# KiCad board ABG-K7072.kicad_pcb
title: ABG-K7072; date: 2025-04-23; rev: 1; company: Robotron; note: Revision 1, 23.04.2025, Stefan Berndt
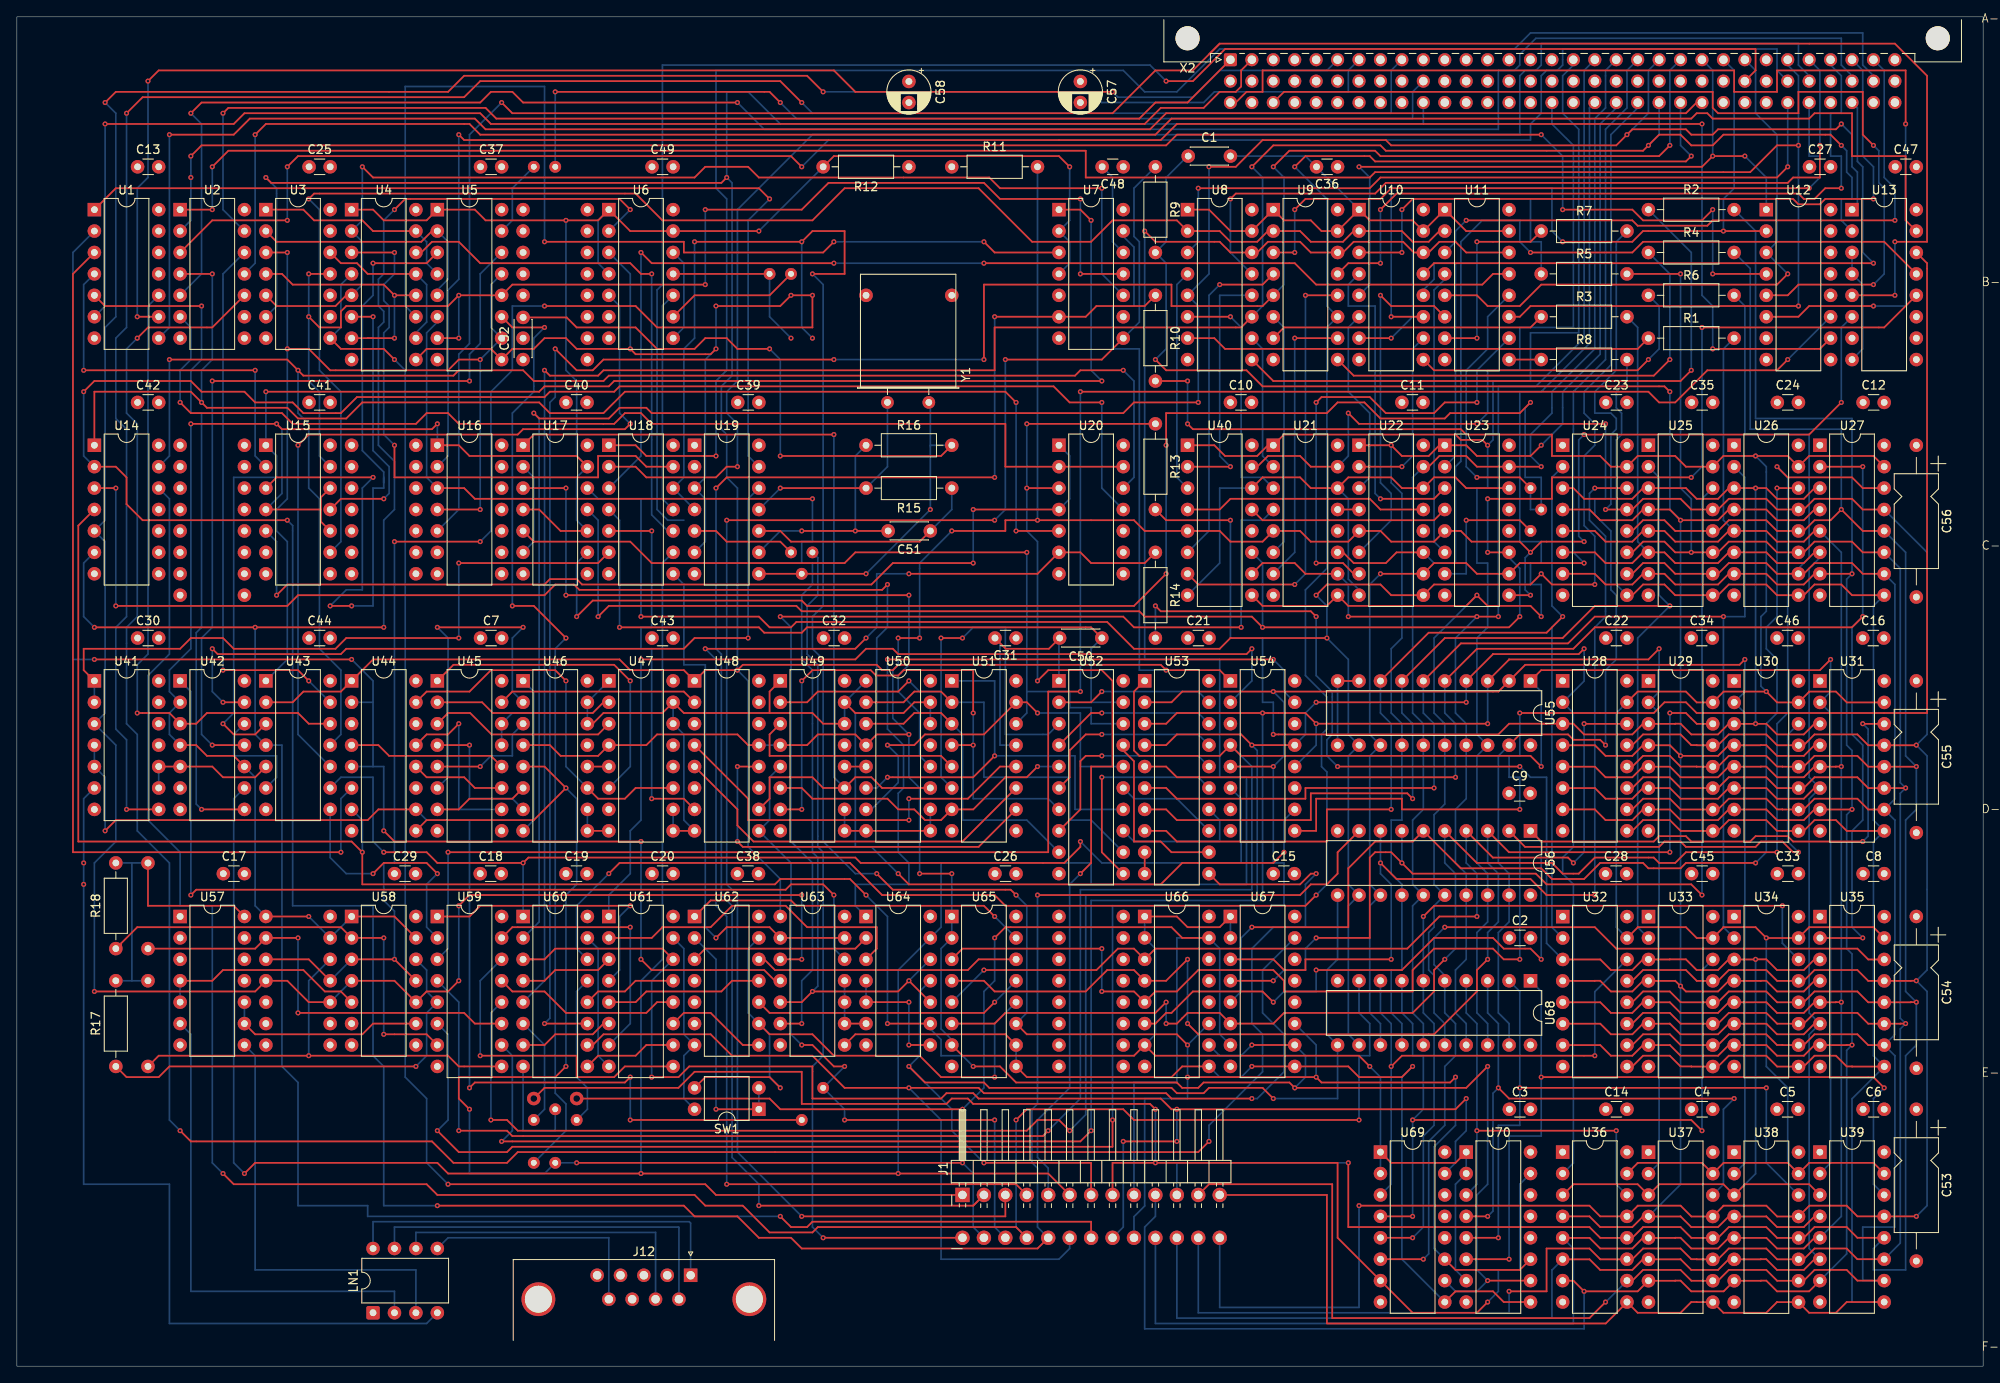
[diagram p0: board, top side]
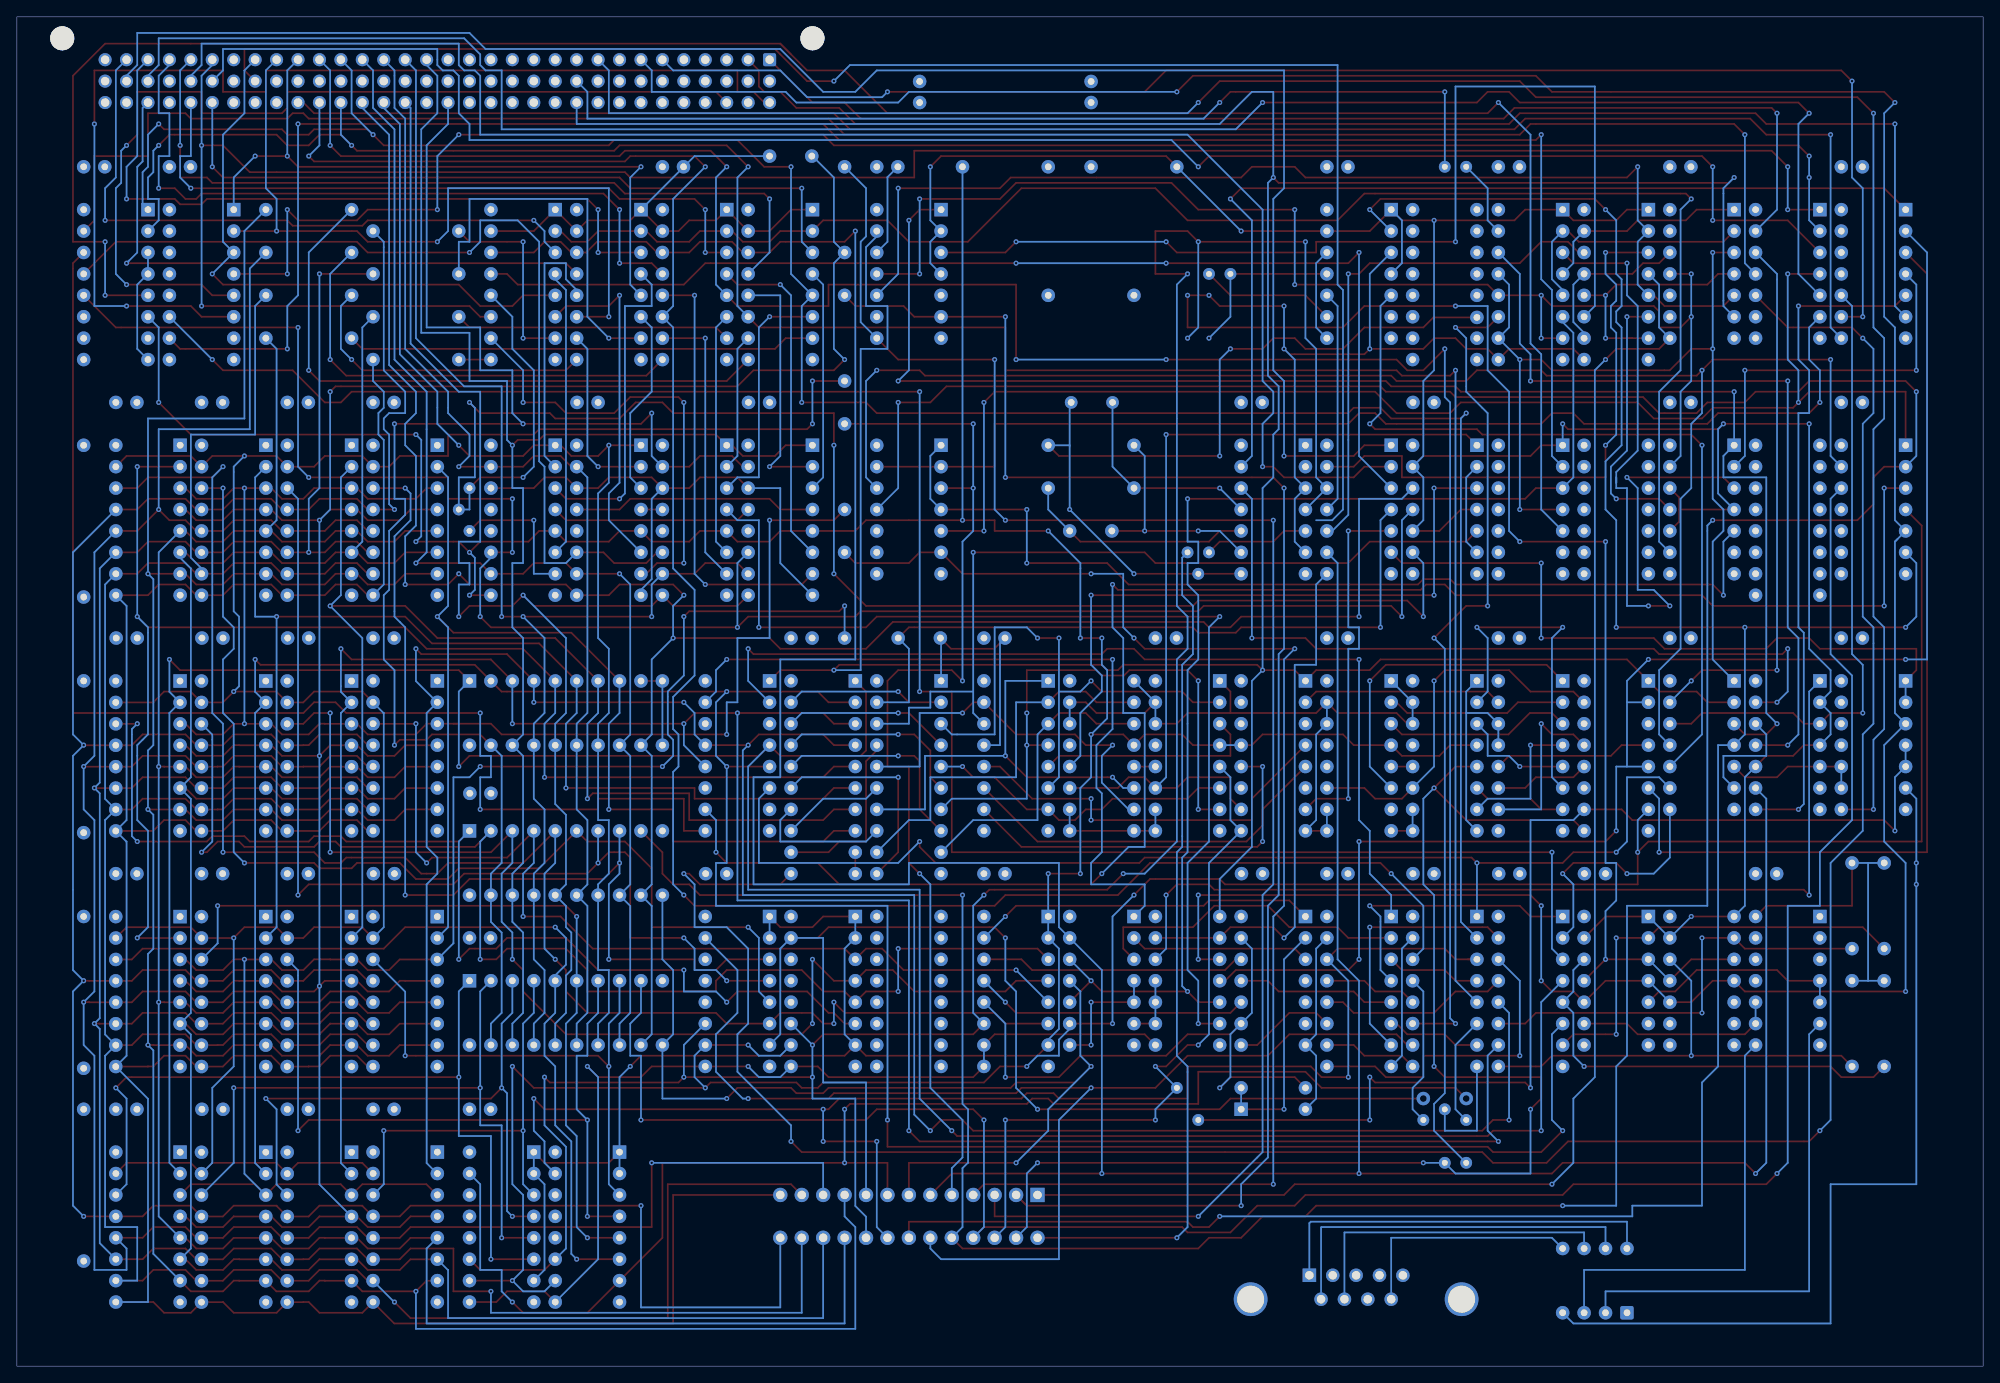
[diagram p1: board, bottom side, seen from below]

Outline 233 x 160 mm; copper layers: Top, In1.Cu, In2.Cu, Bottom. Coordinates in mm from the lower left corner of the outline.
Outline path: rectangle 0,160 233,0
Stack: Top 0.035mm / dielectric 0.1mm FR4 er 4.5 / In1.Cu 0.035mm / dielectric 1.24mm FR4 er 4.5 / In2.Cu 0.035mm / dielectric 0.1mm FR4 er 4.5 / Bottom 0.035mm

## Placement (name value [footprint] x y rotation side)
C1  150pF  [C_Disc_D4.3mm_W1.9mm_P5.00mm]  138.81 143.49 0 top
C2  100nF  [C_Disc_D3.0mm_W1.6mm_P2.50mm]  176.87 50.78 0 top
C3  100nF  [C_Disc_D3.0mm_W1.6mm_P2.50mm]  176.87 30.46 0 top
C4  100nF  [C_Disc_D3.0mm_W1.6mm_P2.50mm]  198.46 30.46 0 top
C5  100nF  [C_Disc_D3.0mm_W1.6mm_P2.50mm]  208.57 30.46 0 top
C6  100nF  [C_Disc_D3.0mm_W1.6mm_P2.50mm]  218.78 30.46 0 top
C7  100nF  [C_Disc_D3.0mm_W1.6mm_P2.50mm]  54.94 86.34 0 top
C8  100nF  [C_Disc_D3.0mm_W1.6mm_P2.50mm]  218.78 58.4 0 top
C9  100nF  [C_Disc_D3.0mm_W1.6mm_P2.50mm]  176.82 67.92 0 top
C10  100nF  [C_Disc_D3.0mm_W1.6mm_P2.50mm]  143.81 114.28 0 top
C11  100nF  [C_Disc_D3.0mm_W1.6mm_P2.50mm]  164.12 114.28 0 top
C12  100nF  [C_Disc_D3.0mm_W1.6mm_P2.50mm]  218.78 114.28 0 top
C13  100nF  [C_Disc_D3.0mm_W1.6mm_P2.50mm]  14.3 142.22 0 top
C14  100nF  [C_Disc_D3.0mm_W1.6mm_P2.50mm]  188.29 30.46 0 top
C15  100nF  [C_Disc_D3.0mm_W1.6mm_P2.50mm]  148.88 58.4 0 top
C16  100nF  [C_Disc_D3.0mm_W1.6mm_P2.50mm]  218.73 86.34 0 top
C17  100nF  [C_Disc_D3.0mm_W1.6mm_P2.50mm]  24.47 58.4 0 top
C18  100nF  [C_Disc_D3.0mm_W1.6mm_P2.50mm]  54.91 58.4 0 top
C19  100nF  [C_Disc_D3.0mm_W1.6mm_P2.50mm]  65.06 58.4 0 top
C20  100nF  [C_Disc_D3.0mm_W1.6mm_P2.50mm]  75.27 58.4 0 top
C21  100nF  [C_Disc_D3.0mm_W1.6mm_P2.50mm]  138.76 86.34 0 top
C22  100nF  [C_Disc_D3.0mm_W1.6mm_P2.50mm]  188.29 86.34 0 top
C23  100nF  [C_Disc_D3.0mm_W1.6mm_P2.50mm]  188.29 114.28 0 top
C24  100nF  [C_Disc_D3.0mm_W1.6mm_P2.50mm]  208.62 114.28 0 top
C25  100nF  [C_Disc_D3.0mm_W1.6mm_P2.50mm]  34.62 142.22 0 top
C26  100nF  [C_Disc_D3.0mm_W1.6mm_P2.50mm]  115.91 58.4 0 top
C27  100nF  [C_Disc_D3.0mm_W1.6mm_P2.50mm]  212.42 142.22 0 top
C28  100nF  [C_Disc_D3.0mm_W1.6mm_P2.50mm]  188.25 58.4 0 top
C29  100nF  [C_Disc_D3.0mm_W1.6mm_P2.50mm]  44.75 58.4 0 top
C30  100nF  [C_Disc_D3.0mm_W1.6mm_P2.50mm]  14.3 86.34 0 top
C31  100nF  [C_Disc_D3.0mm_W1.6mm_P2.50mm]  118.41 86.34 180 top
C32  100nF  [C_Disc_D3.0mm_W1.6mm_P2.50mm]  95.59 86.34 0 top
C33  100nF  [C_Disc_D3.0mm_W1.6mm_P2.50mm]  208.62 58.4 0 top
C34  100nF  [C_Disc_D3.0mm_W1.6mm_P2.50mm]  198.41 86.34 0 top
C35  100nF  [C_Disc_D3.0mm_W1.6mm_P2.50mm]  198.46 114.28 0 top
C36  100nF  [C_Disc_D3.0mm_W1.6mm_P2.50mm]  156.5 142.22 180 top
C37  100nF  [C_Disc_D3.0mm_W1.6mm_P2.50mm]  54.94 142.22 0 top
C38  100nF  [C_Disc_D3.0mm_W1.6mm_P2.50mm]  85.38 58.4 0 top
C39  100nF  [C_Disc_D3.0mm_W1.6mm_P2.50mm]  85.43 114.28 0 top
C40  100nF  [C_Disc_D3.0mm_W1.6mm_P2.50mm]  65.06 114.28 0 top
C41  100nF  [C_Disc_D3.0mm_W1.6mm_P2.50mm]  34.62 114.28 0 top
C42  100nF  [C_Disc_D3.0mm_W1.6mm_P2.50mm]  14.3 114.28 0 top
C43  100nF  [C_Disc_D3.0mm_W1.6mm_P2.50mm]  75.27 86.34 0 top
C44  100nF  [C_Disc_D3.0mm_W1.6mm_P2.50mm]  34.62 86.34 0 top
C45  100nF  [C_Disc_D3.0mm_W1.6mm_P2.50mm]  198.46 58.4 0 top
C46  100nF  [C_Disc_D3.0mm_W1.6mm_P2.50mm]  208.57 86.34 0 top
C47  100nF  [C_Disc_D3.0mm_W1.6mm_P2.50mm]  222.59 142.22 0 top
C48  100nF  [C_Disc_D3.0mm_W1.6mm_P2.50mm]  131.1 142.22 180 top
C49  100nF  [C_Disc_D3.0mm_W1.6mm_P2.50mm]  75.27 142.22 0 top
C50  1nF  [C_Disc_D4.3mm_W1.9mm_P5.00mm]  128.56 86.34 180 top
C51  10nF  [C_Disc_D4.3mm_W1.9mm_P5.00mm]  108.25 99.04 180 top
C52  ??nF  [C_Disc_D4.3mm_W1.9mm_P5.00mm]  59.98 119.36 90 top
C53  2,2µF 25V  [CP_Axial_L11.0mm_D5.0mm_P18.00mm_Horizontal]  225.09 30.46 270 top
C54  2,2µF 25V  [CP_Axial_L11.0mm_D5.0mm_P18.00mm_Horizontal]  225.09 53.32 270 top
C55  2,2µF 25V  [CP_Axial_L11.0mm_D5.0mm_P18.00mm_Horizontal]  225.09 81.26 270 top
C56  2,2µF 25V  [CP_Axial_L11.0mm_D5.0mm_P18.00mm_Horizontal]  225.09 109.2 270 top
C57  47µF 10V  [CP_Radial_D5.0mm_P2.50mm]  126.03 152.34 270 top
C58  47µF 10V  [CP_Radial_D5.0mm_P2.50mm]  105.71 152.34 270 top
J1  Conn_02x13_Row_Letter_First  [PinHeader_2x13_P2.54mm_Horizontal]  112.06 17.76 90 top
J2  Conn_01x01_Pin  [Pin_D1.0mm_L10.0mm]  66.33 29.19 90 top
J3  Conn_01x01_Pin  [Pin_D1.0mm_L10.0mm]  61.25 24.11 90 top
J4  Conn_01x01_Pin  [Pin_D1.0mm_L10.0mm]  63.8 30.46 90 top
J5  Conn_01x01_Pin  [Pin_D1.0mm_L10.0mm]  95.54 33 0 top
J6  Conn_01x01_Pin  [Pin_D1.0mm_L10.0mm]  93 29.19 0 top
J7  Conn_01x01_Pin  [Pin_D1.0mm_L10.0mm]  93 93.96 0 top
J8  Conn_01x01_Pin  [Pin_D1.0mm_L10.0mm]  91.73 96.5 0 top
J9  Conn_01x01_Pin  [Pin_D1.0mm_L10.0mm]  94.28 96.5 0 top
J10  Conn_01x01_Pin  [Pin_D1.0mm_L10.0mm]  63.8 24.11 90 top
J11  Conn_01x01_Pin  [Pin_D1.0mm_L10.0mm]  61.25 29.19 90 top
J12  DE9_Socket  [DSUB-9_Socket_Horizontal_P2.77x2.84mm_EdgePinOffset4.94mm_Housed_MountingHolesOffset4.94mm]  79.84 10.78 0 top
J13  Conn_01x01_Pin  [Pin_D1.0mm_L10.0mm]  61.25 142.22 0 top
J14  Conn_01x01_Pin  [Pin_D1.0mm_L10.0mm]  63.8 142.22 0 top
LN1  L_Pack04  [DIP-8_W7.62mm]  42.2 6.33 90 top
NOREF  -  [unnamed]  131.1 38.08 0 top
NOREF#2  -  [unnamed]  67.61 119.36 0 top
NOREF#3  -  [unnamed]  67.61 121.9 0 top
NOREF#4  -  [unnamed]  59.98 126.98 0 top
NOREF#5  -  [unnamed]  37.12 48.24 0 top
NOREF#6  -  [unnamed]  67.61 124.44 0 top
NOREF#7  -  [unnamed]  39.66 109.2 0 top
NOREF#8  -  [unnamed]  47.28 106.66 0 top
NOREF#9  -  [unnamed]  29.5 53.32 0 top
NOREF#10  -  [unnamed]  26.97 101.58 0 top
NOREF#11  -  [unnamed]  131.1 43.16 0 top
NOREF#12  -  [unnamed]  37.12 40.62 0 top
NOREF#13  -  [unnamed]  19.34 99.04 0 top
NOREF#14  -  [unnamed]  37.12 43.16 0 top
NOREF#15  -  [unnamed]  123.48 40.62 0 top
NOREF#16  -  [unnamed]  19.34 101.58 0 top
NOREF#17  -  [unnamed]  67.61 134.6 0 top
NOREF#18  -  [unnamed]  15.53 49.51 0 top
NOREF#19  -  [unnamed]  47.28 104.12 0 top
NOREF#20  -  [unnamed]  29.5 40.62 0 top
NOREF#21  -  [unnamed]  67.61 126.98 0 top
NOREF#22  -  [unnamed]  26.97 99.04 0 top
NOREF#23  -  [unnamed]  131.1 35.54 0 top
NOREF#24  -  [unnamed]  59.98 121.9 0 top
NOREF#25  -  [unnamed]  47.28 109.2 0 top
NOREF#26  -  [unnamed]  26.97 109.2 0 top
NOREF#27  -  [unnamed]  39.66 106.66 0 top
NOREF#28  -  [unnamed]  67.61 129.52 0 top
NOREF#29  -  [unnamed]  110.78 126.98 0 top
NOREF#30  -  [unnamed]  59.98 137.14 0 top
NOREF#31  -  [unnamed]  37.12 38.08 0 top
NOREF#32  -  [unnamed]  37.12 45.7 0 top
NOREF#33  -  [unnamed]  123.48 38.08 0 top
NOREF#34  -  [unnamed]  26.97 96.5 0 top
NOREF#35  -  [unnamed]  29.5 48.24 0 top
NOREF#36  -  [unnamed]  39.66 101.58 0 top
NOREF#37  -  [unnamed]  123.48 35.54 0 top
NOREF#38  -  [unnamed]  15.53 35.54 0 top
NOREF#39  -  [unnamed]  123.48 48.24 0 top
NOREF#40  -  [unnamed]  37.12 53.32 0 top
NOREF#41  -  [unnamed]  19.34 104.12 0 top
NOREF#42  -  [unnamed]  29.5 43.16 0 top
NOREF#43  -  [unnamed]  123.48 43.16 0 top
NOREF#44  -  [unnamed]  19.34 109.2 0 top
NOREF#45  -  [unnamed]  39.66 104.12 0 top
NOREF#46  -  [unnamed]  15.53 45.7 0 top
NOREF#47  -  [unnamed]  29.5 45.7 0 top
NOREF#48  -  [unnamed]  47.28 96.5 0 top
NOREF#49  -  [unnamed]  123.48 45.7 0 top
NOREF#50  -  [unnamed]  19.34 91.42 0 top
NOREF#51  -  [unnamed]  47.28 101.58 0 top
NOREF#52  -  [unnamed]  19.34 106.66 0 top
NOREF#53  -  [unnamed]  67.61 137.14 0 top
NOREF#54  -  [unnamed]  29.5 50.78 0 top
NOREF#55  -  [unnamed]  131.1 53.32 0 top
NOREF#56  -  [unnamed]  67.61 132.06 0 top
NOREF#57  -  [unnamed]  59.98 134.6 0 top
NOREF#58  -  [unnamed]  39.66 93.96 0 top
NOREF#59  -  [unnamed]  19.34 93.96 0 top
NOREF#60  -  [unnamed]  100.62 126.98 0 top
NOREF#61  -  [unnamed]  47.28 99.04 0 top
NOREF#62  -  [unnamed]  131.1 45.7 0 top
NOREF#63  -  [unnamed]  59.98 132.06 0 top
NOREF#64  -  [unnamed]  39.66 99.04 0 top
NOREF#65  -  [unnamed]  26.97 106.66 0 top
NOREF#66  -  [unnamed]  131.1 40.62 0 top
NOREF#67  -  [unnamed]  131.1 48.24 0 top
NOREF#68  -  [unnamed]  47.28 93.96 0 top
NOREF#69  -  [unnamed]  19.34 96.5 0 top
NOREF#70  -  [unnamed]  123.48 53.32 0 top
NOREF#71  -  [unnamed]  26.97 104.12 0 top
NOREF#72  -  [unnamed]  37.12 50.78 0 top
NOREF#73  -  [unnamed]  29.5 38.08 0 top
NOREF#74  -  [unnamed]  131.1 50.78 0 top
NOREF#75  -  [unnamed]  123.48 50.78 0 top
NOREF#76  -  [unnamed]  26.97 91.42 0 top
NOREF#77  -  [unnamed]  15.53 59.67 0 top
NOREF#78  -  [unnamed]  39.66 96.5 0 top
NOREF#79  -  [unnamed]  59.98 129.52 0 top
NOREF#80  -  [unnamed]  26.97 93.96 0 top
R1  19  [R_Axial_DIN0207_L6.3mm_D2.5mm_P10.16mm_Horizontal]  193.34 121.9 0 top
R2  19  [R_Axial_DIN0207_L6.3mm_D2.5mm_P10.16mm_Horizontal]  193.34 137.14 0 top
R3  19  [R_Axial_DIN0207_L6.3mm_D2.5mm_P10.16mm_Horizontal]  180.63 124.44 0 top
R4  19  [R_Axial_DIN0207_L6.3mm_D2.5mm_P10.16mm_Horizontal]  193.34 132.06 0 top
R5  19  [R_Axial_DIN0207_L6.3mm_D2.5mm_P10.16mm_Horizontal]  180.63 129.52 0 top
R6  19  [R_Axial_DIN0207_L6.3mm_D2.5mm_P10.16mm_Horizontal]  193.34 126.98 0 top
R7  19  [R_Axial_DIN0207_L6.3mm_D2.5mm_P10.16mm_Horizontal]  180.63 134.6 0 top
R8  19  [R_Axial_DIN0207_L6.3mm_D2.5mm_P10.16mm_Horizontal]  180.63 119.36 0 top
R9  19  [R_Axial_DIN0207_L6.3mm_D2.5mm_P10.16mm_Horizontal]  134.91 142.22 270 top
R10  19  [R_Axial_DIN0207_L6.3mm_D2.5mm_P10.16mm_Horizontal]  134.91 126.98 270 top
R11  1K  [R_Axial_DIN0207_L6.3mm_D2.5mm_P10.16mm_Horizontal]  110.78 142.22 0 top
R12  1K  [R_Axial_DIN0207_L6.3mm_D2.5mm_P10.16mm_Horizontal]  105.71 142.22 180 top
R13  19  [R_Axial_DIN0207_L6.3mm_D2.5mm_P10.16mm_Horizontal]  134.91 111.74 270 top
R14  19  [R_Axial_DIN0207_L6.3mm_D2.5mm_P10.16mm_Horizontal]  134.91 96.5 270 top
R15  464  [R_Axial_DIN0207_L6.3mm_D2.5mm_P10.16mm_Horizontal]  110.78 104.12 180 top
R16  681  [R_Axial_DIN0207_L6.3mm_D2.5mm_P10.16mm_Horizontal]  100.62 109.2 0 top
R17  1K  [R_Axial_DIN0207_L6.3mm_D2.5mm_P10.16mm_Horizontal]  11.73 35.54 90 top
R18  1K  [R_Axial_DIN0207_L6.3mm_D2.5mm_P10.16mm_Horizontal]  11.73 49.51 90 top
SW1  Wechselschalter  [DIP-4_W7.62mm]  87.93 30.46 180 top
TP1  TestPoint  [Pin_D1.0mm_L10.0mm]  180.63 101.58 0 top
TP2  TestPoint  [Pin_D1.0mm_L10.0mm]  179.37 99.04 0 top
TP3  TestPoint  [Pin_D1.0mm_L10.0mm]  179.37 104.12 0 top
TP4  TestPoint  [Pin_D1.0mm_L10.0mm]  91.73 129.52 0 top
TP5  TestPoint  [Pin_D1.0mm_L10.0mm]  89.19 129.52 0 top
U1  7402  [DIP-14_W7.62mm]  9.19 137.14 0 top
U2  7404  [DIP-14_W7.62mm]  19.34 137.14 0 top
U3  7430  [DIP-14_W7.62mm]  29.5 137.14 0 top
U4  ~  [DIP-16_W7.62mm]  39.66 137.14 0 top
U5  ~  [DIP-16_W7.62mm]  49.83 137.14 0 top
U6  7474  [DIP-14_W7.62mm]  70.14 137.14 0 top
U7  7474  [DIP-14_W7.62mm]  123.48 137.14 0 top
U8  ~  [DIP-16_W7.62mm]  138.72 137.14 0 top
U9  ~  [DIP-16_W7.62mm]  148.88 137.14 0 top
U10  ~  [DIP-16_W7.62mm]  159.04 137.14 0 top
U11  ~  [DIP-16_W7.62mm]  169.21 137.14 0 top
U12  ~  [DIP-16_W7.62mm]  207.31 137.14 0 top
U13  ~  [DIP-16_W7.62mm]  217.47 137.14 0 top
U14  7410  [DIP-14_W7.62mm]  9.19 109.2 0 top
U15  7474  [DIP-14_W7.62mm]  29.5 109.2 0 top
U16  7474  [DIP-14_W7.62mm]  49.83 109.2 0 top
U17  7474  [DIP-14_W7.62mm]  59.98 109.2 0 top
U18  7400  [DIP-14_W7.62mm]  70.14 109.2 0 top
U19  7404  [DIP-14_W7.62mm]  80.3 109.2 0 top
U20  7400  [DIP-14_W7.62mm]  123.48 109.2 0 top
U21  ~  [DIP-16_W7.62mm]  148.88 109.2 0 top
U22  ~  [DIP-16_W7.62mm]  159.04 109.2 0 top
U23  ~  [DIP-16_W7.62mm]  169.21 109.2 0 top
U24  ~  [DIP-16_W7.62mm]  183.18 109.2 0 top
U25  ~  [DIP-16_W7.62mm]  193.34 109.2 0 top
U26  ~  [DIP-16_W7.62mm]  203.5 109.2 0 top
U27  ~  [DIP-16_W7.62mm]  213.66 109.2 0 top
U28  ~  [DIP-16_W7.62mm]  183.18 81.26 0 top
U29  ~  [DIP-16_W7.62mm]  193.34 81.24 0 top
U30  ~  [DIP-16_W7.62mm]  203.5 81.24 0 top
U31  ~  [DIP-16_W7.62mm]  213.66 81.24 0 top
U32  ~  [DIP-16_W7.62mm]  183.19 53.31 0 top
U33  ~  [DIP-16_W7.62mm]  193.34 53.31 0 top
U34  ~  [DIP-16_W7.62mm]  203.5 53.31 0 top
U35  ~  [DIP-16_W7.62mm]  213.66 53.31 0 top
U36  ~  [DIP-16_W7.62mm]  183.18 25.38 0 top
U37  ~  [DIP-16_W7.62mm]  193.34 25.37 0 top
U38  ~  [DIP-16_W7.62mm]  203.5 25.37 0 top
U39  ~  [DIP-16_W7.62mm]  213.66 25.38 0 top
U40  ~  [DIP-16_W7.62mm]  138.72 109.2 0 top
U41  7438  [DIP-14_W7.62mm]  9.19 81.26 0 top
U42  7474  [DIP-14_W7.62mm]  19.34 81.26 0 top
U43  7408  [DIP-14_W7.62mm]  29.5 81.26 0 top
U44  ~  [DIP-16_W7.62mm]  39.66 81.26 0 top
U45  ~  [DIP-16_W7.62mm]  49.83 81.26 0 top
U46  ~  [DIP-16_W7.62mm]  59.98 81.26 0 top
U47  ~  [DIP-16_W7.62mm]  70.14 81.26 0 top
U48  ~  [DIP-16_W7.62mm]  80.3 81.26 0 top
U49  ~  [DIP-16_W7.62mm]  90.47 81.26 0 top
U50  ~  [DIP-16_W7.62mm#2]  100.62 81.26 0 top
U51  ~  [DIP-16_W7.62mm]  110.78 81.26 0 top
U52  ~  [DIP-20_W7.62mm]  123.48 81.26 0 top
U53  ~  [DIP-20_W7.62mm]  133.65 81.26 0 top
U54  ~  [DIP-16_W7.62mm]  143.81 81.26 0 top
U55  ~  [DIP-20_W7.62mm]  179.37 81.25 270 top
U56  ~  [DIP-20_W7.62mm]  179.37 63.47 270 top
U57  7438  [DIP-14_W7.62mm]  19.34 53.32 0 top
U58  7474  [DIP-14_W7.62mm]  39.66 53.32 0 top
U59  ~  [DIP-16_W7.62mm]  49.83 53.32 0 top
U60  ~  [DIP-16_W7.62mm]  59.98 53.32 0 top
U61  ~  [DIP-16_W7.62mm]  70.14 53.32 0 top
U62  7486  [DIP-14_W7.62mm]  80.3 53.32 0 top
U63  7411  [DIP-14_W7.62mm#2]  90.47 53.32 0 top
U64  7408  [DIP-14_W7.62mm]  100.62 53.32 0 top
U65  ~  [DIP-16_W7.62mm]  110.78 53.32 0 top
U66  ~  [DIP-16_W7.62mm]  133.65 53.32 0 top
U67  ~  [DIP-16_W7.62mm]  143.81 53.32 0 top
U68  ~  [DIP-20_W7.62mm]  179.37 45.7 270 top
U69  ~  [DIP-16_W7.62mm]  161.59 25.38 0 top
U70  ~  [DIP-16_W7.62mm]  171.75 25.38 0 top
X2  DIN41612_03x32_ABC  [DIN41612_R_3x32_Female_Horizontal_THT]  143.81 154.92 0 top
Y1  Crystal  [Crystal_HC49-U_Horizontal]  108.06 114.28 180 top

## Library data of the parts
C1-C52 = -: Description: Unpolarized capacitor; ki_fp_filters: C_*
C53-C58 = -: Description: Polarized capacitor; ki_fp_filters: CP_*
J1 = -: Description: Generic connector, double row, 02x13, row letter first pin numbering scheme (pin number consists of a letter for the row and a number for the pin index in this row. a1, ..., aN; b1, ..., bN), script generated (kicad-library-utils/schlib/autogen/connector/); ki_fp_filters: Connector*:*_2x??_*
J2-J11 J13 J14 = -: Description: Generic connector, single row, 01x01, script generated; ki_fp_filters: Connector*:*_1x??_*
J12 = -: Description: 9-pin D-SUB connector, socket (female); ki_fp_filters: DSUB*Socket*
LN1 = -: Description: 4 inductor network, parallel topology
R1-R18 = -: Description: Resistor; ki_fp_filters: R_*
SW1 = -: Description: 2x DIP Switch, Single Pole Single Throw (SPST) switch, small symbol; ki_fp_filters: SW?DIP?x2*
TP1-TP5 = -: Description: test point; ki_fp_filters: Pin* Test*
X2 = -: Description: DIN41612 connector, double row (AB), 02x32, script generated (kicad-library-utils/schlib/autogen/connector/); ki_fp_filters: DIN41612*2x*
Y1 = -: Description: Two pin crystal; ki_fp_filters: Crystal*

## Footprints (pads in the part's own frame, mm; a bottom-side part is the same pattern mirrored in y, then rotated)
C_Disc_D3.0mm_W1.6mm_P2.50mm
  round 1.6 hole 0.8: 1(0,0) 2(2.5,0)
C_Disc_D4.3mm_W1.9mm_P5.00mm
  round 1.6 hole 0.8: 1(0,0) 2(5,0)
CP_Axial_L11.0mm_D5.0mm_P18.00mm_Horizontal
  round 1.6 hole 0.8: 1(0,0) 2(18,0)
CP_Radial_D5.0mm_P2.50mm
  round 1.6 hole 0.8: 1(0,0) 2(2.5,0)
Crystal_HC49-U_Horizontal
  round 1.5 hole 0.8: 1(0,0) 2(4.9,0)
DIN41612_R_3x32_Female_Horizontal_THT
  round 2.85 hole 2.85 unplated: (-5.08,2.54) (83.82,2.54)
  rrect 1.55x1.55 hole 1: a1(0,0)
  round 1.55 hole 1: a2(2.54,0) a3(5.08,0) a4(7.62,0) a5(10.16,0) a6(12.7,0) a7(15.24,0) a8(17.78,0) a9(20.32,0) a10(22.86,0) a11(25.4,0) a12(27.94,0) a13(30.48,0) a14(33.02,0) a15(35.56,0) a16(38.1,0) a17(40.64,0) a18(43.18,0) a19(45.72,0) a20(48.26,0) a21(50.8,0) a22(53.34,0) a23(55.88,0) a24(58.42,0) a25(60.96,0) a26(63.5,0) a27(66.04,0) a28(68.58,0) a29(71.12,0) a30(73.66,0) a31(76.2,0) a32(78.74,0) b1(0,-2.54) b2(2.54,-2.54) b3(5.08,-2.54) b4(7.62,-2.54) b5(10.16,-2.54) b6(12.7,-2.54) b7(15.24,-2.54) b8(17.78,-2.54) b9(20.32,-2.54) b10(22.86,-2.54) b11(25.4,-2.54) b12(27.94,-2.54) b13(30.48,-2.54) b14(33.02,-2.54) b15(35.56,-2.54) b16(38.1,-2.54) b17(40.64,-2.54) b18(43.18,-2.54) b19(45.72,-2.54) b20(48.26,-2.54) b21(50.8,-2.54) b22(53.34,-2.54) b23(55.88,-2.54) b24(58.42,-2.54) b25(60.96,-2.54) b26(63.5,-2.54) b27(66.04,-2.54) b28(68.58,-2.54) b29(71.12,-2.54) b30(73.66,-2.54) b31(76.2,-2.54) b32(78.74,-2.54) c1(0,-5.08) c2(2.54,-5.08) c3(5.08,-5.08) c4(7.62,-5.08) c5(10.16,-5.08) c6(12.7,-5.08) c7(15.24,-5.08) c8(17.78,-5.08) c9(20.32,-5.08) c10(22.86,-5.08) c11(25.4,-5.08) c12(27.94,-5.08) c13(30.48,-5.08) c14(33.02,-5.08) c15(35.56,-5.08) c16(38.1,-5.08) c17(40.64,-5.08) c18(43.18,-5.08) c19(45.72,-5.08) c20(48.26,-5.08) c21(50.8,-5.08) c22(53.34,-5.08) c23(55.88,-5.08) c24(58.42,-5.08) c25(60.96,-5.08) c26(63.5,-5.08) c27(66.04,-5.08) c28(68.58,-5.08) c29(71.12,-5.08) c30(73.66,-5.08) c31(76.2,-5.08) c32(78.74,-5.08)
DIP-4_W7.62mm
  rect 1.6x1.6 hole 0.8: 1(0,0)
  oval 1.6x1.6 hole 0.8: 2(0,-2.54) 3(7.62,-2.54) 4(7.62,0)
DIP-8_W7.62mm
  rrect 1.6x1.6 hole 0.8: 1(0,0)
  round 1.6 hole 0.8: 2(0,-2.54) 3(0,-5.08) 4(0,-7.62) 5(7.62,-7.62) 6(7.62,-5.08) 7(7.62,-2.54) 8(7.62,0)
DIP-14_W7.62mm
  rect 1.6x1.6 hole 0.8: 1(0,0)
  oval 1.6x1.6 hole 0.8: 2(0,-2.54) 3(0,-5.08) 4(0,-7.62) 5(0,-10.16) 6(0,-12.7) 7(0,-15.24) 8(7.62,-15.24) 9(7.62,-12.7) 10(7.62,-10.16) 11(7.62,-7.62) 12(7.62,-5.08) 13(7.62,-2.54) 14(7.62,0)
DIP-14_W7.62mm#2
  round 1.6 hole 0.8: 1(0,0)
  oval 1.6x1.6 hole 0.8: 2(0,-2.54) 3(0,-5.08) 4(0,-7.62) 5(0,-10.16) 6(0,-12.7) 7(0,-15.24) 8(7.62,-15.24) 9(7.62,-12.7) 10(7.62,-10.16) 11(7.62,-7.62) 12(7.62,-5.08) 13(7.62,-2.54) 14(7.62,0)
DIP-16_W7.62mm
  rect 1.6x1.6 hole 0.8: 1(0,0)
  oval 1.6x1.6 hole 0.8: 2(0,-2.54) 3(0,-5.08) 4(0,-7.62) 5(0,-10.16) 6(0,-12.7) 7(0,-15.24) 8(0,-17.78) 9(7.62,-17.78) 10(7.62,-15.24) 11(7.62,-12.7) 12(7.62,-10.16) 13(7.62,-7.62) 14(7.62,-5.08) 15(7.62,-2.54) 16(7.62,0)
DIP-16_W7.62mm#2
  round 1.6 hole 0.8: 1(0,0)
  oval 1.6x1.6 hole 0.8: 2(0,-2.54) 3(0,-5.08) 4(0,-7.62) 5(0,-10.16) 6(0,-12.7) 7(0,-15.24) 8(0,-17.78) 9(7.62,-17.78) 10(7.62,-15.24) 11(7.62,-12.7) 12(7.62,-10.16) 13(7.62,-7.62) 14(7.62,-5.08) 15(7.62,-2.54) 16(7.62,0)
DIP-20_W7.62mm
  rect 1.6x1.6 hole 0.8: 1(0,0)
  oval 1.6x1.6 hole 0.8: 2(0,-2.54) 3(0,-5.08) 4(0,-7.62) 5(0,-10.16) 6(0,-12.7) 7(0,-15.24) 8(0,-17.78) 9(0,-20.32) 10(0,-22.86) 11(7.62,-22.86) 12(7.62,-20.32) 13(7.62,-17.78) 14(7.62,-15.24) 15(7.62,-12.7) 16(7.62,-10.16) 17(7.62,-7.62) 18(7.62,-5.08) 19(7.62,-2.54) 20(7.62,0)
DSUB-9_Socket_Horizontal_P2.77x2.84mm_EdgePinOffset4.94mm_Housed_MountingHolesOffset4.94mm
  round 4 hole 3.2: 0(-18.04,-2.84) 0(6.96,-2.84)
  rect 1.6x1.6 hole 1: 1(0,0)
  round 1.6 hole 1: 2(-2.77,0) 3(-5.54,0) 4(-8.31,0) 5(-11.08,0) 6(-1.385,-2.84) 7(-4.155,-2.84) 8(-6.925,-2.84) 9(-9.695,-2.84)
Pin_D1.0mm_L10.0mm
  round 1.4 hole 0.7: 1(0,0)
PinHeader_2x13_P2.54mm_Horizontal
  oval 1.7x1.7 hole 1: a1(-2.54,0) a2(-2.54,-2.54) a3(-2.54,-5.08) a4(-2.54,-7.62) a5(-2.54,-10.16) a6(-2.54,-12.7) a7(-2.54,-15.24) a8(-2.54,-17.78) a9(-2.54,-20.32) a10(-2.54,-22.86) a11(-2.54,-25.4) a12(-2.54,-27.94) a13(-2.54,-30.48) b2(2.54,-2.54) b3(2.54,-5.08) b4(2.54,-7.62) b5(2.54,-10.16) b6(2.54,-12.7) b7(2.54,-15.24) b8(2.54,-17.78) b9(2.54,-20.32) b10(2.54,-22.86) b11(2.54,-25.4) b12(2.54,-27.94) b13(2.54,-30.48)
  rect 1.7x1.7 hole 1: b1(2.54,0)
R_Axial_DIN0207_L6.3mm_D2.5mm_P10.16mm_Horizontal
  round 1.6 hole 0.8: 1(0,0)
  oval 1.6x1.6 hole 0.8: 2(10.16,0)
unnamed
  round 1.6 hole 0.8: (0,0)
